# Altium PCB Defectoscope.PcbDoc (part 1 of 2) (continued)
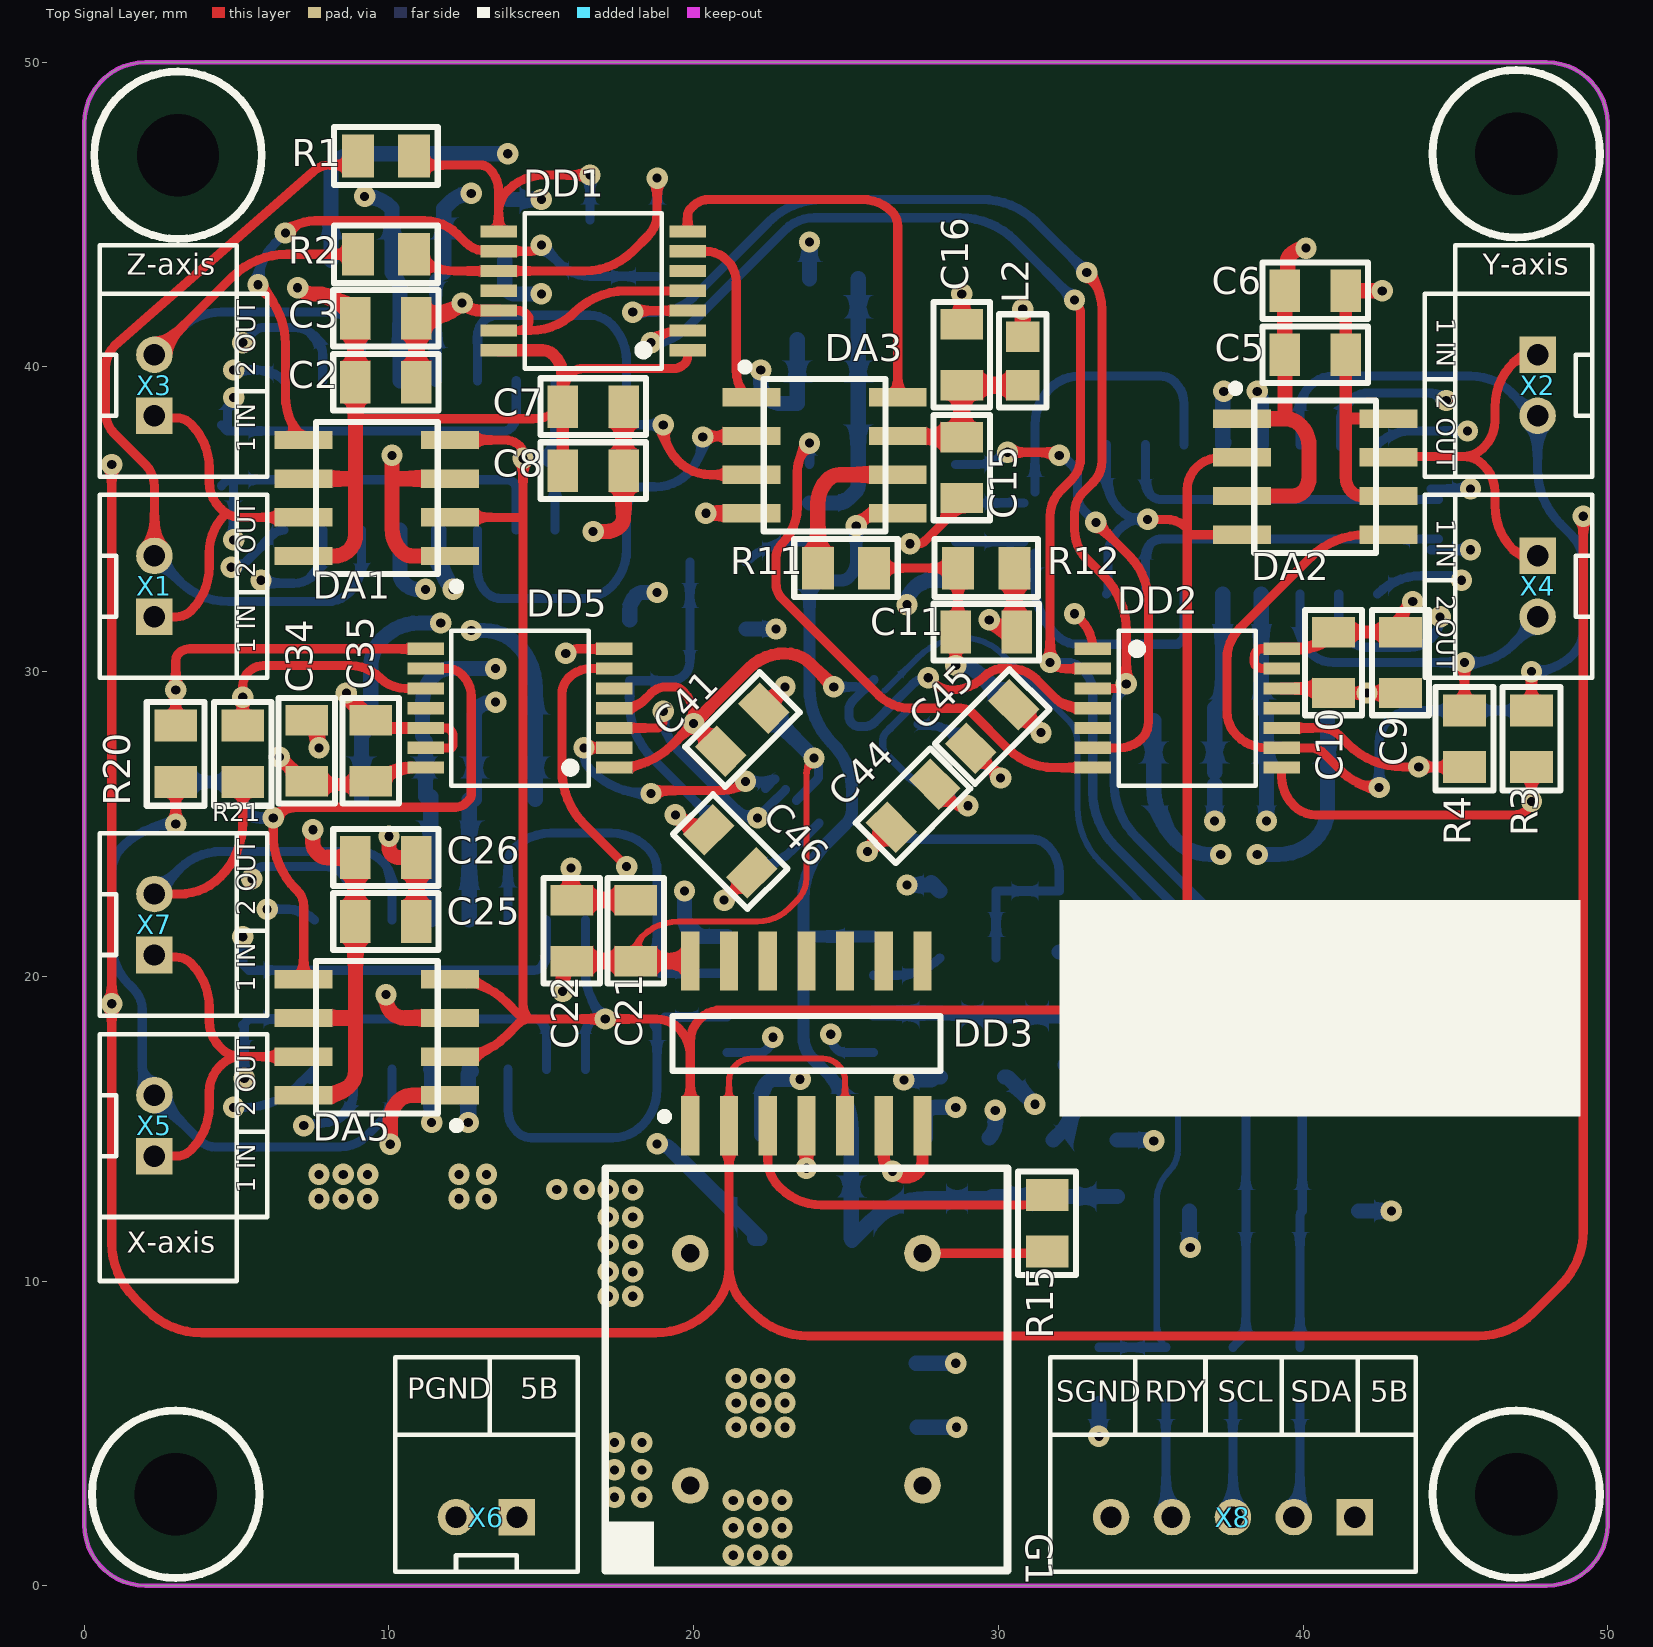
[diagram p0: Top Signal Layer view]
## Design rules (kind name [scope] priority, off if disabled: settings)
Clearance Clearance_tracks_inner [OnLayer('Power Layer') OR OnLayer('Ground Layer')] p1: gap=0.35 ignorepadtopadclearanceinfootprint=FALSE except(0: Arc-Hole Track-Hole SMDPad-Hole THPad-Hole Via-Hole Fill-Hole Poly-Hole Region-Hole Text-Hole) // Зазоры между проводниками на внутренних слоях
Clearance Clearance_1 [All] p2: gap=0.2 ignorepadtopadclearanceinfootprint=FALSE except(0: Arc-Hole Track-Hole SMDPad-Hole THPad-Hole Via-Hole Fill-Hole Poly-Hole Region-Hole Text-Hole)
ComponentClearance [All] p1: gap=0.3 collisioncheckmode=3 verticalgap=0.01 showdistances=FALSE
HoleSize [All] p1: absolutevalues=TRUE maxlimit=10 minlimit=0.3 maxpercent=80.000 minpercent=20.000
MinimumSolderMaskSliver [All] p1: minsoldermaskwidth=0.09
PolygonConnect PolygonConnect_Via [IsVia] p1: connectstyle=Direct reliefconductorwidth=0.254 reliefentries=4 polygonreliefangle="90 Angle" airgapwidth=0.2
PolygonConnect PolygonConnect_1 [All] p2: connectstyle=Relief reliefconductorwidth=0.254 reliefentries=4 polygonreliefangle="90 Angle" airgapwidth=0.254
RoutingCorners [All] p1: cornerstyle=Round minsetback=0.2 maxsetback=2
RoutingVias [All] p1: holewidth=0.711 width=1.27 viastyle="Through Hole" minholewidth=0.711 minwidth=1.27 maxholewidth=0.711 maxwidth=1.27
SilkToSilkClearance [All] p1: silktosilkclearance=0
SilkToSolderMaskClearance [IsPad] p1: minsilkscreentomaskgap=0 clearancetoexposedcopper=TRUE
SolderMaskExpansion [All] p1: expansion=0.05
Width [All] p1: maxlimit=4 minlimit=0.2 preferedwidth=0.2
Width 3,3В [InNet('3,3В')] p2: maxlimit=2 minlimit=0.2 preferedwidth=1
Width 24В [InNet('24В')] p3: maxlimit=4 minlimit=0.2 preferedwidth=4
Width 5В [InNet('5В')] p4: maxlimit=3 minlimit=0.2 preferedwidth=3
24 further rules are at their usual default settings.

## Classes and differential pairs
component class Defectoscope: C19 C20 C21 C22 C23 C25 C26 C27 C28 C29 C30 C31 C32 C33 C34 C35 C36 C37 C38 C39 C40 C41 C42 C43 C44 C45 C46 C47 C48 C49 C50 C51 C52 C53 C54 C55 C56 C57 DA5 DA6 DD3 DD4 DD5 DD6 DD7 DD8 FU1 G1 L3 R15 R16 R17 R18 R19 R20 R21 R22 R23 R24 R25 R26 R27 R29 R30 R31 R32 R33 R34 R35 R36 R37 VD1 X5 X6 X7 X8
component class Defectoscope2: C2 C3 C5 C6 C7 C8 C9 C10 C11 C12 C13 C14 C15 C16 C17 C18 DA1 DA2 DA3 DA4 DD1 DD2 L1 L2 R1 R2 R3 R4 R5 R6 R7 R8 R11 R12 R13 R14 X1 X2 X3 X4

## Components (designator, comment, footprint, x,y, rotation, side; value= is the part's Value field where it differs from the comment)
C2 "0,1мк" C0805 9.9,39.5 r180 top
C3 "1мк" C0805 9.9,41.6 r180 top
C5 "0,1мк" C0805 40.4,40.4 r0 top
C6 "1мк" C0805 40.4,42.5 r0 top
C7 "1мк" C0805 16.7,38.7 r180 top
C8 "0,1мк" C0805 16.7,36.6 r180 top
C9 "1мк" C0805 43.2,30.3 r90 top
C10 "0,1мк" C0805 41,30.3 r90 top
C11 "0,1мк" C0805 29.6,31.3 r180 top
C12 "0,1мк" C0805 17.9,30.7 r270 bottom
C13 "100" C0805 17.7,37.1 r90 bottom
C14 "100" C0805 31.2,34.9 r270 bottom
C15 "0,1мк" C0805 28.8,36.7 r90 top
C16 "1мк" C0805 28.8,40.4 r270 top
C17 "0,1мк" C0805 24.4,38.8 r0 bottom
C18 "1мк" C0805 24.4,40.9 r0 bottom
C19 "0,1мк" C0805 26.3,7.3 r180 bottom
C20 "1000" C0805 26.3,5.2 r180 bottom
C21 "0,1мк" C0805 18.1,21.5 r270 top
C22 "1мк" C0805 16,21.5 r270 top
C23 "4700" C0805 5.2,19.4 r270 bottom
C25 "0,1мк" C0805 9.9,21.8 r180 top
C26 "1мк" C0805 9.9,23.9 r180 top
C27 "10мк" "TANTAL CASE B" 6.895,7.3 r180 bottom
C28 "0,1мк" C0805 7.2,10.327 r0 bottom
C29 "1мк" C0805 10.1,27.9 r0 bottom
C30 "0,1мк" C0805 10.1,25.8 r0 bottom
C31 "0,1мк" C0805 13.8,25.8 r180 bottom
C32 "1мк" C0805 13.8,27.9 r180 bottom
C33 "4700" C0805 4.7,37.1 r270 bottom
C34 "1мк" C0805 7.3,27.4 r270 top
C35 "0,1мк" C0805 9.4,27.4 r270 top
C36 "1мк" C0805 9.1,45.6 r0 bottom
C37 "0,1мк" C0805 9.1,43.5 r0 bottom
C38 "0,1мк" C0805 12.8,43.5 r180 bottom
C39 "1мк" C0805 12.8,45.6 r180 bottom
C40 "0,1мк" C0805 32,21.8 r90 bottom
C41 "1мк" C0805 21.6,28.1 r45 top
C42 "0,1мк" C0805 21.6,28.1 r45 bottom
C43 "100" C0805 18.7,19.4 r90 bottom
C44 "1000" C0805 27.2,25.6 r45 top
C45 "1000" C0805 29.8,28.2 r225 top
C46 "1000" C0805 21.2,24.1 r315 top
C47 "10мк" "TANTAL CASE B" 23.7,14.6 r0 bottom
C48 "0,1мк" C0805 29.7,13.7 r90 bottom
C49 "4700" C0805 44.2,35 r90 bottom
C50 "1мк" C0805 30.2,17.7 r90 bottom
C51 "0,1мк" C0805 28.1,17.7 r90 bottom
C52 "10мк" "TANTAL CASE B" 23.7,11.6 r180 bottom
C53 "0,1мк" C0805 27.6,13.7 r270 bottom
C54 "1мк" C0805 39.8,26.3 r180 bottom
C55 "0,1мк" C0805 39.8,28.4 r180 bottom
C56 "0,1мк" C0805 36.1,28.4 r0 bottom
C57 "1мк" C0805 36.1,26.3 r0 bottom
DA1 "LM5110-3M/NOPB" SO8 9.6,35.7 r180 top
DA2 "LM5110-3M/NOPB" SO8 40.4,36.4 r0 top
DA3 "AD623ARZ" SO8 24.3,37.1 r0 top
DA4 "AD623ARZ" SO8 26.2,34.9 r180 bottom
DA5 "LM5110-3M/NOPB" SO8 9.6,18 r180 top
DA6 "AD623ARZ" SO8 23.5,19.4 r0 bottom
DD1 "MCP4651-104E/ST" TSSOP14 16.7,42.5 r180 top
DD2 "MCP4651-104E/ST" TSSOP14 36.2,28.8 r0 top
DD3 "CD4013BM" SO14 23.7,17.8 r90 top
DD4 "ADG412BRZ" SO-16 12,19.4 r90 bottom
DD5 "MCP4651-104E/ST" TSSOP14 14.3,28.8 r180 top
DD6 "ADG412BRZ" SO-16 11,37.1 r90 bottom
DD7 "ADS1115IDGST" MSOP-10 25,27.4 r225 bottom
DD8 "ADG412BRZ" SO-16 38,35 r270 bottom
FU1 "MF-MSMF150" FUSE812 12.9,7.2 r180 bottom
G1 "1 МГц (HCMOS/TTL)" DIL8 23.7,7.1 r0 top
L1 "18мГн" L0603 24.6,42.9 r180 bottom
L2 "18мГн" L0603 30.8,40.2 r90 top
L3 "18мГн" L0603 32.2,17.9 r90 bottom
R1 "10к" R0805 9.9,46.925 r0 top
R2 "10к" R0805 9.9,43.7 r0 top
R3 "10к" R0805 47.5,27.8 r270 top
R4 "10к" R0805 45.3,27.8 r270 top
R5 "100к" R0805 16.6,43.9 r270 bottom
R6 "100к" R0805 18.8,43.9 r90 bottom
R7 "100к" R0805 47.5,27.8 r90 bottom
R8 "100к" R0805 45.3,27.8 r270 bottom
R11 "10к" R0805 25,33.4 r180 top
R12 "10к" R0805 29.6,33.4 r180 top
R13 "10к" R0805 20.8,33.6 r0 bottom
R14 "10к" R0805 20.8,31.4 r180 bottom
R15 "510" R0805 31.6,11.9 r270 top
R16 "0" R0805 14.9,11.2 r180 bottom
R17 "0" R0805 10.8,12 r270 bottom
R18 "0" R0805 19.1,1.4 r180 bottom
R19 "0" R0805 19.1,6 r180 bottom
R20 "10к" R0805 3,27.3 r90 top
R21 "10к" R0805 5.2,27.3 r90 top
R22 "10к" R0805 40.9,12.3 r0 bottom
R23 "10к" R0805 37.2,12.3 r180 bottom
R24 "100к" R0805 3,27.3 r270 bottom
R25 "100к" R0805 5.2,27.3 r90 bottom
R26 "47" R0805 39.9,6.9 r270 bottom
R27 "47" R0805 37.7,6.9 r270 bottom
R29 "1к" R0805 27.2,25.6 r225 bottom
R30 "1к" R0805 29.8,28.2 r45 bottom
R31 "1к" R0805 21.2,24.2 r135 bottom
R32 "5к" R0805 29,20.6 r180 bottom
R33 "5к" R0805 29,22.8 r0 bottom
R34 "100к" R0805 31.8,13.7 r90 bottom
R35 "10к" R0805 33.3,6.9 r270 bottom
R36 "47" R0805 35.5,6.9 r270 bottom
R37 "100к" R0805 33.9,13.7 r270 bottom
VD1 "BZX84C5V6LT1G" SOT23-3 8.8,2.7 r180 bottom
X1 "Z axis" MW-2M 2.3,32.8 r180 top
X2 "Y-axis" MW-2M 47.7,39.4 r0 top
X3 "Z axis" MW-2M 2.3,39.4 r180 top
X4 "Y-axis" MW-2M 47.7,32.8 r0 top
X5 "X axis" MW-2M 2.3,15.1 r180 top
X6 "Вход питания" MW-2M 13.2,2.25 r270 top
X7 "X axis" MW-2M 2.3,21.7 r180 top
X8 "Разъем I2C" MW-5M 38.7,2.25 r270 top

## Footprints (in the part's own frame and the unit in brackets; to place one, negate y for a bottom-side part, rotate by r counter-clockwise, add the part's x,y. Pads: shape width x height; smd on the part's side, far side on the other; paste and mask are expansions set on the pad)
C0805 [mm]
  rect 1x1.4 smd: 1(-1,0) 2(1,0)
  silkscreen extent -1.73,-0.93 1.73,0.93, body extent -1,-0.62 1,0.63, height 0.78
DIL8 [mm] "Кварцевый генератор 12.9х12.9"
  round 1.2 hole 0.6: 1(-3.81,-3.81) 4(3.81,-3.81) 5(3.81,3.81) 8(-3.81,3.81)
  silkscreen extent -6.6,-6.6 6.6,6.6, body extent -6.35,-6.35 6.35,6.35, height 4.6
FUSE812 [mm] "Самовосстанавливающийся предохранитель"
  rect 1.95x3.4 smd: 1(-2.1,0) 2(2.1,0)
  silkscreen extent -3.3,-1.92 3.3,1.92, body extent -2.41,-1.61 2.41,1.61, height 1.32
L0603 [mm]
  rect 1x1.1 smd: 1(-0.8,0) 2(0.8,0)
  silkscreen extent -1.53,-0.78 1.53,0.78, body extent -0.8,-0.4 0.8,0.4, height 0.8
MSOP-10 [mm]
  rect 1.45x0.3 smd: 1(-2.3,1) 2(-2.3,0.5) 3(-2.3,0) 4(-2.3,-0.5) 5(-2.3,-1) 6(2.3,-1) 7(2.3,-0.5) 8(2.3,0) 9(2.3,0.5) 10(2.3,1)
  silkscreen extent -2.2,-1.6 1.55,2, body extent -2.57,-1.6 2.58,1.6, height 1.09
MW-2M [mm]
  rect 1.2x1.2 hole 0.7: 1(0,1)
  round 1.2 hole 0.7: 2(0,-1)
  silkscreen extent -2.7,-3 1.8,3, body extent -2.7,-2.95 1.8,2.95, height 6
MW-5M [mm]
  rect 1.2x1.2 hole 0.7: 1(0,3)
  round 1.2 hole 0.7: 2(0,1) 3(0,-1) 4(0,-3) 5(0,-5)
  silkscreen extent -2.7,-7 1.8,5, body extent -2.7,-6.95 1.8,4.95, height 6
R0805 [mm] "Chip Resistor, 2-Leads, Body 2,10x1,30mm, IPC Medium Density"
  rect 1.05x1.4 smd: 1(-0.925,0) 2(0.925,0)
  silkscreen extent -1.7,-0.95 1.7,0.95, body extent -1.1,-0.7 1.1,0.7, height 0.55
SO8 [mm]
  rect 1.9x0.6 smd: 1(-2.4,1.905) 2(-2.4,0.635) 3(-2.4,-0.635) 4(-2.4,-1.905) 5(2.4,-1.905) 6(2.4,-0.635) 7(2.4,0.635) 8(2.4,1.905)
  silkscreen extent -2.74,-2.5 2,3.02, body extent -3,-2.54 3,2.54, height 1.7
SO14 [mm] "SOIC, 14-Leads, Body 8,65x3,90mm, Pitch 1,27mm, IPC Medium Density"
  rect 1.946x0.6 smd: 1(-2.7,3.81) 2(-2.7,2.54) 3(-2.7,1.27) 4(-2.7,0) 5(-2.7,-1.27) 6(-2.7,-2.54) 7(-2.7,-3.81) 8(2.7,-3.81) 9(2.7,-2.54) 10(2.7,-1.27) 11(2.7,0) 12(2.7,1.27) 13(2.7,2.54) 14(2.7,3.81)
  silkscreen extent -2.52,-4.4 0.9,4.78, body extent -2.9,-4.28 2.9,4.27, height 1.75
SO-16 [mm] "16-Pin Small Outline Integrated Circuit 1.27 mm Pitch, IPC Low Density"
  oval 2.5x0.7 smd: 1(-2.45,4.445) 2(-2.45,3.175) 3(-2.45,1.905) 4(-2.45,0.635) 5(-2.45,-0.635) 6(-2.45,-1.905) 7(-2.45,-3.175) 8(-2.45,-4.445) 9(2.45,-4.445) 10(2.45,-3.175) 11(2.45,-1.905) 12(2.45,-0.635) 13(2.45,0.635) 14(2.45,1.905) 15(2.45,3.175) 16(2.45,4.445)
  silkscreen extent -2.57,-5 0.8,5.47, body extent -3.07,-4.99 3.07,4.98, height 1.78
SOT23-3 [mm]
  rect 0.9x0.8 smd: 1(-1,0.95) 2(-1,-0.95)
  rect 0.8x0.8 smd: 3(1,0)
  silkscreen extent -0.3,-1.52 0.7,1.52, body extent -1.15,-1.5 1.15,1.5, height 1.1
"TANTAL CASE B" [mm] "Конденсатор электролитический танталовый"
  rect 1.5x2.7 smd: 1(-1.475,-0.2) 2(1.525,-0.2)
  silkscreen extent -3.25,-1.78 2.51,2.12, body extent -1.7,-1.6 1.8,1.2, height 1.9
TSSOP14 [mm]
  rect 1.2x0.4 smd: 1(-3.1,1.95) 2(-3.1,1.3) 3(-3.1,0.65) 4(-3.1,0) 5(-3.1,-0.65) 6(-3.1,-1.3) 7(-3.1,-1.95) 8(3.1,-1.95) 9(3.1,-1.3) 10(3.1,-0.65) 11(3.1,0) 12(3.1,0.65) 13(3.1,1.3) 14(3.1,1.95)
  silkscreen extent -2.25,-2.55 2.25,2.55, body extent -3.2,-2.5 3.2,2.5, height 1.2

## Part data
C2 C3 C5 C6 C7 C8 C9 C10 C11 C12 C13 C14 C15 C16 C17 C18 C19 C20 C21 C22 C23 C25 C26 C28 C29 C30 C31 C32 C33 C34 C35 C36 C37 C38 C39 C40 C41 C42 C43 C44 C45 C46 C48 C49 C50 C51 C53 C54 C55 C56 C57: library part Capacitor, "Конденсатор"
C27 C47 C52: library part Capacitor_pol, "Конденсатор полярный"
DA1 DA2 DA5: library part LM5110, "Драйвер затвора"
DA3 DA4 DA6: "Инструментальный усилитель ±6В"
DD1 DD2 DD5: library part MCP4651-103, "Dual I2C Digital Potentiometer"
DD3: library part CD4013B, "CMOS Dual D-Type Flip-Flop"
DD4 DD6 DD8: "CMOS Bilateral Switch"
DD7: library part ADS1115, "Ultra-Small, Low-Power, 16-Bit  Analog-to-Digital Converter with Internal Reference"
FU1: library part Fuse, "Предохранитель"
G1: library part "Crystal Oscillator DIP", "Кварцевый генератор"
L1 L2 L3: library part Inductor, "Катушка индуктивности"
R1 R2 R3 R4 R5 R6 R7 R8 R11 R12 R13 R14 R15 R16 R17 R18 R19 R20 R21 R22 R23 R24 R25 R26 R27 R29 R30 R31 R32 R33 R34 R35 R36 R37: library part Resistor, "Резистор"
VD1: library part DiodeZener, "Стабилитрон"
X1 X2 X3 X4 X5 X6 X7: library part Header_2_sct, "Разъем - 2 конт. розетка"
X8: library part Header_5_sct, "Разъем - 4 конт. розетка"

## Free pads (board coordinates)
  round 0 hole 2.7: ""(3,3) ""(3.075,46.95) ""(47,3) ""(47,47)

## Via types
v1: diameter 0.7, hole 0.3, Top Signal Layer to Bottom Signal Layer, tented both sides, 184 vias

## Nets (pads, with @x,y where several pads share a name; then routed paths per layer and width w, separated by ;. In a path a pad name is that pad's centre, name@x,y a point inside that pad or via, vN(x,y) a via of type N, cw(c..) or ccw(c..) an arc to the next point about the centre after c; other vN are vias at no path point)
5B: C27.1 C28.2 FU1.2 R16.2 R17.2 VD1.1
5BA: C29.2 C30.2 C31.2 C32.2 C36.2 C37.2 C38.2 C39.2 C47.1 C48.2 C54.2 C55.2 C56.2 C57.2 DD4.12 DD4.13 DD6.12 DD6.13 DD8.12 DD8.13 L1.2 L2.2 L3.1 R17.1 R34.2 | length 54.1
  Top Signal Layer w0.5: L2.2@30.8,41 v1(30.8,41.9)
  Bottom Signal Layer w0.4: DD6.13@11.535,39.55 11.535,42.866 C38.2@11.8,43.1
  Bottom Signal Layer w0.5: v1(9.2,45.6) cw(c9.2,44.393) 10.054,45.246 10.1,45.2 10.1,43.1 cw(c9.46,42.46) 10.365,42.46 DD6.12@10.365,39.55 ; C29.2@11.1,27.9 11.1,29 cw(c12.307,29) 11.453,29.853 ; C30.2@11.2,25.9 C29.2@11.2,27.7 ; DD4.12@11.37,21.855 C30.2@11.37,25.9 ; 11.454,29.854 11.5,29.9 cw(c11.983,29.417) 11.983,30.1 v1(13.5,30.1) ; C38.2@11.8,43.1 11.8,45.2 12.017,45.417 cw(c12.7,44.734) v1(12.7,45.7) ; DD4.13@12.635,21.85 C31.2@12.635,25.8 ; C31.2@12.8,25.8 C32.2@12.8,27.9 12.8,28.559 cw(c13.141,28.559) 12.9,28.8 cw(c13.383,28.317) 13.383,29 v1(13.5,29) ; C47.1@22.225,14.8 22.225,16.078 cw(c22.822,16.078) 22.4,16.5 cw(c22.697,16.203) 22.697,16.623 v1(23.496,16.623) ; L1.2@23.8,42.9 v1(23.8,44.1) ; C48.2@29.7,14.7 ccw(c29.217,15.183) 29.9,15.183 v1(29.9,15.6) ; R34.2@31.8,14.625 32.164,14.989 ccw(c31.353,15.8) v1(32.5,15.8) ; L3.1@32.2,17.1 v1(33.1,17.1) ; v1(37.1,25.1) C57.2@37.1,26.3 ; C57.2@37.1,26.7 C56.2@37.1,28.4 37.1,28.8 37.365,29.065 DD8.13@37.365,32.55 ; C55.2@38.63,28.8 DD8.12@38.63,32.545 ; v1(38.8,25.1) C54.2@38.8,26.3 C55.2@38.8,28.4 C55.2@38.8,28.8
  other v1: 7.7,12.7 8.5,12.7 9.3,12.7 12.3,12.7 13.196,12.7 7.7,13.5 8.5,13.5 9.3,13.5 12.3,13.5 13.2,13.5
5BS: C2.2 C3.2 C5.2 C6.2 C7.2 C8.2 C9.2 C10.2 C19.2 C20.2 C21.2 C22.2 C25.2 C26.2 C34.2 C35.2 C41.2 C42.2 DA1.6 DA1.8 DA2.6 DA2.8 DA5.6 DA5.8 DD1.1 DD1.14 DD2.13 DD2.14 DD3.14 DD5.14 DD7.8 G1.8 R16.1 R22.2 R23.2 R35.2 X8.1 | length 93
  Top Signal Layer w0.2: C21.2@18.1,20.5 18.1,20.817 cw(c18.783,20.817) 18.3,21.3 cw(c19.507,20.093) 19.507,21.8 22.1,21.8 ccw(c22.1,23.249) 23.124,22.224 23.4,22.5 ccw(c22.676,23.224) 23.7,23.224 23.7,26.565 cw(c24.549,26.565) v1(23.949,27.166)
  Top Signal Layer w0.3: 8.9,38.2 cw(c9.141,37.959) 9.141,38.3 14.734,38.3 ccw(c14.734,39.666) C7.2@15.7,38.7 15.7,39.076 cw(c16.724,39.076) 16,39.8 cw(c16.362,39.438) 16.362,39.95 19.338,39.95 ccw(c19.338,40.462) 19.7,40.1 ccw(c19.459,40.341) 19.8,40.341 DD1.1@19.8,40.55 ; DD5.14@10.728,26.85 DD5.14@11.2,26.85 ; DD2.13@39.3,30.1 38.691,30.1 cw(c38.691,30.441) 38.45,30.2 cw(c38.571,30.321) 38.4,30.321 38.4,30.459 cw(c38.741,30.459) 38.5,30.7 cw(c38.621,30.579) 38.621,30.75 DD2.14@39.3,30.75
  Top Signal Layer w0.4: v1(6.4,27.2) 7.3,26.3 9.4,26.3 cw(c10.728,24.972) DD5.14@10.728,26.85 ; DD1.14@13.6,40.55 15.038,40.55 cw(c15.038,40.038) 15.4,40.4 cw(c14.676,39.676) 15.7,39.676 C7.2@15.7,39.076 ; C8.2@15.7,36.6 C7.2@15.7,38.7 ; DD2.14@39.3,30.75 39.772,30.75 ccw(c39.772,32.628) 41.1,31.3 C9.2@43.2,31.3 43.2,31.617 cw(c43.883,31.617) 43.4,32.1 v1(43.6,32.3) ; C6.2@41.4,42.5 C5.2@41.4,40.4 41.4,38.3 ; DA2.6@42.8,35.765 41.926,35.765 cw(c41.926,36.226) 41.6,35.9 cw(c42.083,36.383) 41.4,36.383 41.4,38.3 ; DA2.8@42.8,38.305 41.405,38.305 41.4,38.3
  Top Signal Layer w0.5: v1(7,42.6) ccw(c7.483,43.083) 7.483,42.4 7.6,42.4 cw(c7.6,41.193) 8.454,42.046 C3.2@8.9,41.6 C2.2@8.9,39.5 8.9,38.2 8.9,36.3 ; DA5.8@7.2,16.095 7.964,16.095 ccw(c7.964,17.136) 8.7,16.4 ccw(c8.217,16.883) 8.9,16.883 8.9,18.7 ; DA5.6@7.2,18.635 8.743,18.635 ccw(c8.743,18.857) 8.9,18.7 ; DA1.8@7.2,33.795 8.205,33.795 ccw(c8.205,34.495) 8.7,34 ccw(c8.217,34.483) 8.9,34.483 8.9,36.3 ; DA1.6@7.2,36.335 8.815,36.335 cw(c8.815,36.215) 8.9,36.3 ; v1@7.592,24.809 ccw(c7.538,23.718) 7.538,24.81 v1(7.5,24.81) 7.5,24.383 ccw(c7.942,24.383) 7.629,24.071 7.7,24 ccw(c7.941,24.241) 7.941,23.9 C26.2@8.9,23.9 C25.2@8.9,21.8 8.9,18.7 ; v1(15.7,19.5) 15.7,19.776 cw(c16.724,19.776) C22.2@16,20.5 C21.2@18.1,20.5 DD3.14@19.89,20.5 ; C41.2@22.307,28.807 v1(23,29.5) ; C6.2@41.4,42.5 v1(42.6,42.5) ; DA2.6@42.8,35.765 DA2.6@43.2,35.765
  Bottom Signal Layer w0.3: DD7.8@23.374,25.774 24.029,26.429 ccw(c23.859,26.6) 24.1,26.6 24.1,26.8 ccw(c23.583,26.8) v1(23.949,27.166)
  Bottom Signal Layer w0.5: v1(23,29.5) C42.2@22.307,28.807 v1(23.949,27.166) ; v1(33.3,4.9) R35.2@33.3,5.975 ; R23.2@36.275,12.3 36.275,11.1 v1(36.3,11.1) ; R22.2@41.825,12.3 v1(42.9,12.3)
  other v1: 17.2,9.5 18,9.5 17.2,10.3 18,10.3 17.2,11.2 18,11.2 17.2,12.1 18,12.096 15.504,13.004 16.404,13.004 17.2,13 18,13
ADC_OUT1: C40.2 R29.2 R32.1 R33.2 | length 11.1
  Bottom Signal Layer w0.3: R29.2@26.546,24.946 26.703,24.789 ccw(c27.4,25.485) 27.4,24.5 31.117,24.5 cw(c31.117,23.817) 31.6,24.3 31.641,24.259 cw(c30.776,23.393) 32,23.393 C40.2@32,22.8 R33.2@29.925,22.8 R32.1@29.925,20.6
ADC_OUT2: C11.2 R11.1 R12.2 R30.2 | length 8.1
  Top Signal Layer w0.3: R11.1@25.925,33.4 R12.2@28.675,33.4 C11.2@28.675,31.481 ; v1(28.6,30.2) C11.2@28.6,31.3
  Bottom Signal Layer w0.5: v1(28.6,30.2) 28.676,30.2 cw(c28.676,29.176) 29.4,29.9 29.408,29.9 R30.2@30.454,28.854
ADC_OUT3: C12.2 R13.1 R14.2 R31.2 | length 11.5
  Bottom Signal Layer w0.3: R13.1@19.875,33.6 R14.2@19.875,31.4 19.875,30.322 cw(c19.278,30.322) 19.7,29.9 cw(c19.217,30.383) 19.217,29.7 C12.2@17.9,29.7 17.9,28.952 ccw(c20.44,28.952) 18.644,27.156 20.564,25.236 R31.2@20.564,24.836
ADC_OUT_A1: C43.1 DA6.2 DD4.3 | length 12.2
  Bottom Signal Layer w0.3: DD4.3@13.905,16.95 13.905,15.612 ccw(c14.912,15.612) 14.2,14.9 ccw(c14.683,15.383) 14.683,14.7 17.334,14.7 ccw(c17.334,16.066) 18.3,15.1 ccw(c17.093,16.307) 18.8,16.307 C43.1@18.8,18.5 ; C43.1@18.7,18.4 cw(c18.459,18.159) C43.1@18.8,18.159 ; C43.1@19.065,18.665 DA6.2@21.1,18.665
ADC_OUT_A2: C13.1 DA3.2 DD6.3 | length 15.1
  Top Signal Layer w0.3: v1(20.3,37.7) cw(c20.385,37.615) 20.385,37.735 DA3.2@21.9,37.735
  Bottom Signal Layer w0.3: DD6.3@12.905,34.65 12.905,33.312 ccw(c13.912,33.312) 13.2,32.6 ccw(c13.683,33.083) 13.683,32.4 16.334,32.4 ccw(c16.334,33.766) 17.3,32.8 ccw(c16.093,34.007) 17.8,34.007 C13.1@17.8,36.065 ; C13.1@17.8,36.1 C13.1@17.7,36.1 ccw(c17.785,36.185) 17.785,36.065 C13.1@17.8,36.065 ; v1(20.3,37.7) cw(c18.61,37.7) 19.805,36.505 cw(c18.743,37.567) 18.743,36.065 C13.1@17.8,36.065
ADC_OUT_A3: C14.1 DA4.2 DD8.3 | length 12.2
  Bottom Signal Layer w0.3: DA4.2@28.6,35.535 C14.1@30.835,35.535 ; C14.1@31.2,35.9 31.2,38.093 cw(c32.907,38.093) 31.7,39.3 cw(c32.666,38.334) 32.666,39.7 35.317,39.7 cw(c35.317,39.017) 35.8,39.5 cw(c35.088,38.788) 36.095,38.788 DD8.3@36.095,37.45
ADC_OUT_B1: C43.2 DA6.3 DD4.14 | length 13.3
  Bottom Signal Layer w0.3: DD4.14@13.905,21.85 13.905,23.729 cw(c14.571,23.729) 14.1,24.2 cw(c15.307,22.993) 15.307,24.7 17.293,24.7 cw(c17.293,22.993) 18.5,24.2 cw(c17.776,23.476) 18.8,23.476 C43.2@18.8,20.4 ; C43.2@18.7,20.4 C43.2@18.9,20.2 ; C43.2@18.9,20.1 DA6.3@20.935,20.1
ADC_OUT_B2: C13.2 DA3.3 DD6.14 | length 15.1
  Top Signal Layer w0.3: v1(19,38.1) ccw(c20.69,38.1) 19.495,36.905 ccw(c20.557,37.967) 20.557,36.465 DA3.3@21.9,36.465 cw(c21.743,36.622) DA3.3@21.743,36.4
  Bottom Signal Layer w0.3: DD6.14@12.905,39.55 12.905,41.029 cw(c13.571,41.029) 13.1,41.5 cw(c13.583,41.017) 13.583,41.7 16.576,41.7 cw(c16.576,40.676) 17.3,41.4 cw(c16.093,40.193) 17.8,40.193 C13.2@17.8,38.1 ; C13.2@17.7,38.1 C13.2@17.8,38.1 ; v1(19,38.1) C13.2@17.8,38.1
ADC_OUT_B3: C14.2 DA4.3 DD8.14 | length 10.9
  Bottom Signal Layer w0.3: DA4.3@28.6,34.265 C14.2@30.835,34.265 ; C14.2@31.2,33.9 31.2,32.89 ccw(c33.59,32.89) 31.9,31.2 ccw(c32.624,31.924) 32.624,30.9 35.9,30.9 36.012,31.012 ccw(c35.812,31.212) 36.095,31.212 DD8.14@36.095,32.55
AGND: C11.1 C12.1 C15.1 C16.1 C17.1 C18.1 C29.1 C30.1 C31.1 C32.1 C36.1 C37.1 C38.1 C39.1 C40.1 C44.1 C45.1 C46.1 C50.1 C51.1 C52.2 C53.1 C54.1 C55.1 C56.1 C57.1 DA3.4 DA4.4 DA6.4 DD4.4 DD4.5 DD6.4 DD6.5 DD8.4 DD8.5 R12.1 R14.1 R19.1 R33.1 R37.1 | length 86.4
  Top Signal Layer w0.3: v1(27.1,34.2) 27.358,34.2 ccw(c27.358,34.542) 27.6,34.3 28.659,35.359 ccw(c28.317,35.7) C15.1@28.8,35.7
  Top Signal Layer w0.5: v1(19.4,25.3) 19.469,25.231 ccw(c20.493,26.256) C46.1@20.493,24.807 ; v1(20.4,35.2) 21.895,35.2 DA3.4@21.9,35.195 ; v1(25.7,24.1) C44.1@26.493,24.893 ; C16.1@28.8,41.4 v1(28.8,42.4) ; v1(29.7,31.7) v1@29.746,31.654 ; v1@29.747,31.653 ccw(c30.6,32.507) C11.1@30.6,31.3 cw(c30.781,31.481) 30.525,31.481 R12.1@30.525,33.4 ; C45.1@30.507,28.907 31.39,28.024 cw(c31.366,28) v1(31.4,28)
  Bottom Signal Layer w0.5: C37.1@8.1,43.5 C36.1@8.1,45.6 8.1,46.459 cw(c8.441,46.459) 8.2,46.7 cw(c8.924,45.976) 8.924,47 v1(13.9,47) ; C30.1@9.1,25.8 C29.1@9.1,27.9 ccw(c8.376,28.624) 9.4,28.624 9.4,30.134 cw(c10.766,30.134) 9.8,31.1 cw(c11.007,29.893) 11.007,31.6 v1(11.7,31.6) ; DD6.5@10.365,34.65 10.365,33.226 ccw(c10.826,33.226) 10.5,32.9 ccw(c10.983,33.383) 10.983,32.7 v1(11.2,32.7) ; DD4.5@11.365,16.95 11.4,16.915 v1(11.4,15.2) ; DD6.4@11.635,34.65 11.635,33.823 ccw(c13.223,33.823) v1(12.1,32.7) ; v1(12.6,15.2) 12.6,16.785 12.7,16.885 DD4.4@12.635,16.95 ; v1(12.7,31.35) 13.114,31.35 cw(c13.114,29.814) 14.2,30.9 cw(c12.751,29.451) 14.8,29.451 C32.1@14.8,27.9 C31.1@14.8,25.8 ; C38.1@13.8,43.5 13.8,42.741 ccw(c14.141,42.741) 13.9,42.5 ccw(c14.141,42.741) 14.141,42.4 v1(15,42.4) ; C39.1@13.8,45.6 13.9,45.5 v1(15,45.5) ; C12.1@17.9,31.7 17.9,32.017 cw(c18.583,32.017) 18.1,32.5 cw(c18.341,32.259) 18.341,32.6 v1(18.8,32.6) ; v1(18.8,14.5) cw(c18.8,13.836) 19.269,14.306 C52.2@22.175,11.4 C52.2@22.007,11.4 ; v1(19.7,22.8) 19.7,21.9 ccw(c20.295,21.9) 20.295,21.305 DA6.4@21.1,21.305 ; R14.1@21.725,31.4 v1(22.7,31.4) ; v1(22.2,39.9) 22.2,39.483 ccw(c22.883,39.483) 22.4,39 ccw(c22.883,39.483) 22.883,38.8 C17.1@23.4,38.8 C18.1@23.4,40.9 ; v1(26.9,16.6) 27.8,16.6 27.9,16.7 C51.1@28.1,16.7 ; v1(27,23) 27.725,23 27.8,23.075 R33.1@28.075,22.8 ; v1(27,32.2) cw(c27.724,32.2) 27.212,32.712 27.3,32.8 cw(c27.771,32.329) 27.771,32.995 DA4.4@28.6,32.995 ; C53.1@27.6,14.7 27.6,15.4 cw(c27.841,15.4) 27.671,15.571 27.7,15.6 cw(c27.941,15.359) 27.941,15.7 v1(28.6,15.7) ; C50.1@30.2,16.7 cw(c30.2,16.459) 30.371,16.629 v1(31.2,15.8) ; C40.1@32,20.8 v1(33.2,20.8) ; R37.1@33.9,14.625 35.04,14.625 cw(c35.04,14.54) v1(35.1,14.6) ; C56.1@35.1,28.4 C57.1@35.1,26.3 35.1,26.252 ccw(c37.64,26.252) 35.844,24.456 ccw(c36.945,25.557) 36.945,24 v1(37.3,24) ; v1@37.365,39.116 cw(c37.484,39.116) v1(37.4,39.2) ; v1@37.365,39.2 DD8.4@37.365,37.45 ccw(c37.281,37.534) DD8.4@37.4,37.534 ; v1(38.5,24) 39.193,24 ccw(c39.193,25.707) 40.4,24.5 ccw(c39.434,25.466) 40.8,25.466 C54.1@40.8,26.3 C55.1@40.8,28.4 ; v1(38.5,39.2) cw(c38.174,38.874) 38.635,38.874 DD8.5@38.635,37.45
  other v1: 21.4,5.2 22.2,5.2 23,5.2 21.4,6 22.2,6 23,6 21.4,6.8 22.2,6.8 23,6.8
CLOCK1: DA1.2 DA1.4 DA2.2 DA2.4 DA5.2 DA5.4 DD3.1 DD4.1 DD4.16 DD6.1 DD6.16 DD8.1 DD8.16 | length 95.4
  Top Signal Layer w0.3: DA5.4@12,19.905 12.043,19.905 cw(c12.043,17.365) 13.839,19.161 14.259,18.741 ccw(c14.6,19.083) 14.599,18.6 ccw(c14.6,18.117) 14.259,18.459 13.839,18.039 cw(c12.043,19.835) DA5.2@12.043,17.295 ; DA1.2@12,35.065 14.316,35.065 ccw(c14.316,35.184) 14.4,35.1 ; DA1.4@12,37.605 13.805,37.605 cw(c13.805,36.905) 14.3,37.4 cw(c14.059,37.159) 14.4,37.159 v1(14.4,37) 14.4,35.1 ; DD3.1@19.89,15.1 19.89,17.358 ; v1(34.9,35) 35.5,35 cw(c35.5,34.034) 36.183,34.717 36.2,34.7 ; DA2.4@38,34.495 36.205,34.495 36.2,34.5 ; DA2.2@38,37.035 37.309,37.035 ccw(c37.309,35.891) 36.5,36.7 ccw(c37.224,35.976) 36.2,35.976 36.2,34.7 ; 14.4,35.1 14.4,19.083 ccw(c15.083,19.083) 14.6,18.6 v1(17.1,18.6) 18.776,18.6 cw(c18.776,17.576) 19.5,18.3 cw(c18.558,17.358) 19.89,17.358 ; 19.89,17.358 19.89,17.852 cw(c20.948,17.852) 20.2,18.6 cw(c20.924,17.876) 20.924,18.9 34.876,18.9 ccw(c34.876,19.924) 35.6,19.2 ccw(c34.151,20.649) 36.2,20.649 36.2,34.5 ; 36.2,34.5 36.2,34.7
  Bottom Signal Layer w0.3: v1(14.4,37) v1@14.717,37 ; DD6.1@15.445,34.65 15.445,36.45 ccw(c14.95,36.45) 15.3,36.8 ccw(c14.817,36.317) 14.817,37 v1@14.717,37 ; DD6.16@15.445,39.55 15.445,37.791 cw(c14.609,37.791) 15.2,37.2 cw(c14.717,37.683) v1@14.717,37 ; DD4.1@16.445,16.95 16.445,18.126 cw(c16.974,18.126) 16.6,18.5 cw(c16.841,18.259) 16.841,18.6 v1(17.1,18.6) cw(c18.681,20.181) 16.445,20.181 DD4.16@16.445,21.85 ; DD8.16@33.555,32.55 ccw(c33.442,32.663) 33.602,32.663 33.602,34 cw(c35.074,33.626) 34,34.7 cw(c34.724,33.976) v1@34.724,35 ; DD8.1@33.555,37.45 33.555,36.374 ccw(c35.074,36.374) 34,35.3 ccw(c34.724,36.024) v1@34.724,35 ; v1@34.583,35 v1@34.724,35 ; v1(34.9,35) v1@34.724,35
CNTRLC1: DD3.2 DD3.5 DD4.8 DD4.9 DD6.8 DD6.9 DD8.8 DD8.9 | length 162.3
  Top Signal Layer w0.2: DD3.2@21.16,15.1 21.16,16.562 cw(c21.879,16.562) 21.371,17.071 21.4,17.1 cw(c21.883,16.617) 21.883,17.3 24.247,17.3 cw(c24.247,16.617) 24.73,17.1 ; 24.759,17.071 cw(c24.251,16.562) 24.97,16.562 DD3.5@24.97,15.1
  Top Signal Layer w0.3: v1@0.9,37 v1(0.9,19.1) 0.9,11.252 ccw(c3.44,11.252) 1.644,9.456 2.056,9.044 ccw(c3.852,10.84) 3.852,8.3 18.748,8.3 ccw(c18.748,10.84) 20.544,9.044 20.6,9.1 ccw(c19.248,10.452) 21.16,10.452 ; DD3.2@21.16,15.1 21.16,10.452 ; v1(49.2,35.1) 49.2,11.652 cw(c46.66,11.652) 48.456,9.856 47.544,8.944 cw(c45.748,10.74) 45.748,8.2 23.752,8.2 cw(c23.752,10.74) 21.956,8.944 21.663,9.237 cw(c22.879,10.452) 21.16,10.452
  Power Layer w0.3: v1(0.9,19.1) 2.134,19.1 ccw(c2.134,20.466) 3.1,19.5 3.405,19.805 ccw(c2.21,21) 3.9,21 cw(c4.866,21) 4.183,21.683 4.3,21.8 cw(c5.266,20.834) 5.266,22.2 v1(6,22.2) ; v1(0.9,36.8) 2.169,36.8 cw(c2.169,35.434) 3.134,36.4 3.134,36.392 3.314,36.212 cw(c1.786,34.9) 3.8,34.9 3.8,34.324 ccw(c4.824,34.324) 4.1,33.6 ccw(c4.521,34.021) 4.521,33.426 v1(4.824,33.426) ; 2.134,36.8 ccw(c2.134,38.166) 3.1,37.2 3.405,37.505 ccw(c2.21,38.7) 3.9,38.7 3.9,38.876 cw(c4.924,38.876) 4.2,39.6 4.217,39.617 cw(c4.9,38.934) v1(4.9,39.9) ; 2.169,19.1 cw(c2.169,17.734) 3.134,18.7 3.21,18.624 cw(c1.786,17.2) 3.8,17.2 ccw(c5.249,17.2) 4.224,16.176 4.559,15.841 ccw(c4.9,16.183) v1(4.9,15.7) ; v1@45.2,32.8 v1(45.2,33) 45.958,33 ccw(c45.958,33.342) 46.2,33.1 ccw(c45.717,33.583) 46.4,33.583 46.4,33.934 cw(c47.766,33.934) 46.8,34.9 cw(c47.283,34.417) 47.283,35.1 ; v1(45.4,37.9) 45.517,37.9 cw(c45.517,37.217) 46,37.7 cw(c45.034,36.734) 46.4,36.734 46.4,36.617 46.4,36.266 ccw(c47.766,36.266) 46.8,35.3 ccw(c47.283,35.783) 47.283,35.1 ; v1(49.2,35.1) 47.283,35.1
  Bottom Signal Layer w0.3: v1(4.824,33.426) ccw(c4.824,34.155) 5.339,33.639 6.205,34.505 cw(c6.555,34.155) DD6.8@6.555,34.65 ; v1(4.9,15.7) 5.253,15.7 ccw(c5.253,18.24) 7.049,16.444 DD4.8@7.555,16.95 cw(c7.084,16.95) DD4.8@7.417,16.617 ; v1(4.9,39.9) 5.71,39.9 cw(c5.71,38.705) DD6.9@6.555,39.55 ; v1(6,22.2) 6.71,22.2 cw(c6.71,21.005) DD4.9@7.555,21.85 ; DD8.9@42.445,32.55 cw(c43.894,31.101) 43.894,33.15 44.837,33.15 cw(c44.837,32.637) v1(45.2,33) ; DD8.8@42.445,37.45 cw(c43.531,36.364) 43.531,37.9 v1(45.4,37.9)
INDUCT_OUT_C1: DD4.11 R21.1 X7.2 | length 16
  Top Signal Layer w0.3: X7.2@2.3,22.7 3.114,22.7 ccw(c3.114,24.598) 4.456,23.256 ccw(c2.66,25.052) 5.2,25.052 R21.1@5.2,26.375
  Bottom Signal Layer w0.3: X7.2@2.6,22.7 X7.2@2.3,22.7 3.135,23.535 cw(c4.5,22.169) 4.5,24.1 9,24.1 cw(c9,23.005) 10.095,23.005 DD4.11@10.095,21.85
INDUCT_OUT_C2: DD6.11 R2.1 X3.2 | length 17
  Top Signal Layer w0.3: X3.2@2.3,40.4 4.856,42.956 cw(c6.652,41.16) 6.652,43.7 R2.1@8.975,43.7
  Bottom Signal Layer w0.3: X3.2@2.3,40.4 3.134,41.234 cw(c4.5,39.869) 4.5,41.8 8,41.8 cw(c8,40.705) 9.095,40.705 DD6.11@9.095,39.55
INDUCT_OUT_C3: DD8.11 R4.1 X4.2 | length 11.7
  Top Signal Layer w0.3: R4.1@45.3,28.725 v1(45.3,30.3)
  Bottom Signal Layer w0.3: DD8.11@39.905,32.55 39.905,31.395 ccw(c41,31.395) 41,30.3 45.5,30.3 ccw(c45.5,32.231) 46.865,30.865 X4.2@47.75,31.75
INDUCT_OUT_D1: DD4.6 R20.1 X5.2 | length 22.2
  Top Signal Layer w0.3: v1(3,25) R20.1@3,26.375
  Bottom Signal Layer w0.3: v1(3,25) ccw(c3,22.586) 1.293,24.293 1.253,24.253 ccw(c2.107,23.4) 0.9,23.4 0.9,21.1 ccw(c2.831,21.1) 1.466,19.734 1.617,19.583 cw(c0.934,18.9) 1.9,18.9 1.9,17.066 ccw(c3.266,17.066) X5.2@2.3,16.1 3.788,14.612 ccw(c4.3,15.124) 4.3,14.4 8.4,14.4 ccw(c8.4,15.607) 9.253,14.753 9.8,15.3 ; 9.8,15.3 ccw(c9.088,16.012) 10.095,16.012 DD4.6@10.095,16.95
INDUCT_OUT_D2: DD6.6 R1.1 X1.2 | length 26.9
  Top Signal Layer w0.3: X1.2@2.3,33.8 2.3,36.076 ccw(c1.276,36.076) 2,36.8 0.983,37.817 cw(c1.666,38.5) 0.7,38.5 0.7,39.976 cw(c1.724,39.976) 1,40.7 7.5,46.4 cw(c8.043,45.857) 8.043,46.625 R1.1@8.975,46.625
  Bottom Signal Layer w0.3: X1.2@2.3,33.8 3.134,32.966 ccw(c4.742,34.573) 4.742,32.3 7.975,32.3 ccw(c7.975,33.325) 8.7,32.6 ccw(c7.746,33.554) 9.095,33.554 DD6.6@9.095,34.65
INDUCT_OUT_D3: DD8.6 R3.1 X2.2 | length 21.2
  Top Signal Layer w0.3: R3.1@47.5,28.725 v1(47.5,30)
  Bottom Signal Layer w0.3: DD8.6@39.905,37.45 39.905,38.605 cw(c41,38.605) 41,39.7 45.5,39.7 cw(c45.5,37.769) 46.865,39.135 X2.2@47.65,38.35 ; v1(47.5,30) ccw(c47.5,31.931) 48.866,30.566 ccw(c48.059,31.373) 49.2,31.373 49.2,33.534 ccw(c47.834,33.534) 48.8,34.5 48.444,34.856 cw(c50.24,36.652) 47.7,36.652 X2.2@47.7,38.4
NetC15_2: C15.2 C16.2 DA3.7 L2.1 | length 5.8
  Top Signal Layer w0.5: DA3.7@26.7,37.735 ccw(c26.784,37.819) 26.784,37.7 C15.2@28.8,37.7 C16.2@28.8,39.4 L2.1@30.8,39.4
NetC17_2: C17.2 C18.2 DA4.7 L1.1 | length 8.7
  Bottom Signal Layer w0.5: DA4.7@23.8,35.535 24.702,35.535 ccw(c24.702,36.098) 25.1,35.7 25.3,35.9 ccw(c25.059,36.141) 25.4,36.141 C17.2@25.4,38.8 C18.2@25.4,40.9 L1.1@25.4,42.9